# KiCad board 8851_HW-U1-VCU118_REV2-0_071417.kicad_pcb (continued)
## Nets
AGND1: C229.2 C1683.2 C1684.2 C1685.2 C1712.2 R1201.2 R1205.2 R1206.2 R1219.2 R1238.2 R1254.2 R1265.2 U164.7 U164.37 Z119.1
AGND2: C1408.2 C1446.2 C1539.2 C1543.2 Q48.3 R1125.2 R1131.2 R1132.2 R1166.2 U9.5 U9.8 U9.28 U9.29 U9.33 Z93.1
AGND5: C370.2 C423.2 C480.2 C740.2 Q25.3 R155.2 R199.2 R214.2 R515.2 U30.5 U30.8 U30.28 U30.29 U30.33 Z15.1
AGND6: C145.2 C175.2 C188.2 C189.2 Q20.3 R74.2 R136.2 R137.2 R159.2 U6.5 U6.8 U6.28 U6.29 U6.33 Z1.1
AGND8: C1409.2 C1447.2 C1540.2 C1544.2 Q49.3 R1108.2 R1126.2 R1133.2 R1167.2 U4.5 U4.8 U4.28 U4.29 U4.33 Z94.1
AGND9: C1717.2 R1207.2 R1214.2 R1221.2 R1240.2 R1258.2 R1262.2 R1266.2 U166.7 U166.15 U166.16 U166.18 U166.37 Z121.1
AGND10: C1715.2 R1213.2 R1220.2 R1229.2 R1239.2 R1256.2 R1280.2 R1281.2 U165.7 U165.15 U165.16 U165.18 U165.37 Z120.1
AGND12: C1313.2 C1318.2 C1330.2 C1336.2 Q40.3 R1028.2 R1077.2 R1078.2 R1174.2 U150.5 U150.8 U150.28 U150.29 U150.33 Z88.1
AGND13: C1411.2 C1449.2 C1542.2 C1546.2 Q51.3 R1109.2 R1130.2 R1169.2 R1170.2 U156.5 U156.8 U156.28 U156.29 U156.33 Z96.1
GND: B1.2 C1.2 C3.2 C4.2 C5.2 C6.1 C7.2 C8.2 C11.1 C12.2 C15.2 C26.2 C27.2 C39.2 C40.2 C41.2 C53.2 C54.2 C57.2 C62.2 C63.2 C64.2 C65.2 C66.2 C68.2 C69.2 C70.2 C71.2 C72.2 C73.2 C74.2 C75.2 C76.2 C78.2 C79.2 C80.2 C81.2 C82.2 C83.2 C84.2 C92.2 C96.2 C98.2 C99.2 C103.2 C104.2 C105.2 C106.2 C107.2 C108.2 C109.2 C110.2 C111.2 C112.2 C113.2 C114.2 C115.2 C116.2 C120.2 C121.2 C122.2 C123.2 C124.2 C125.2 C126.2 C128.2 C129.2 C130.2 C131.2 C132.2 C133.2 C134.2 C135.2 C136.2 C137.2 C138.2 C139.2 C140.2 C141.2 C142.2 C143.2 C144.2 C146.2 C147.2 C148.2 C149.2 C150.2 C151.2 C153.2 C154.2 C156.2 C157.2 C159.2 C160.2 C161.2 C162.2 C163.2 C164.2 C165.2 C166.2 C167.2 C168.2 C169.2 C170.2 C171.2 C172.2 C173.2 C174.2 C176.2 C177.2 C178.2 C179.2 C180.2 C181.2 C182.2 C183.2 C185.2 C190.2 C191.2 C192.2 C193.2 C194.2 C195.2 C196.2 C197.2 C204.2 C205.2 C206.2 C215.2 C216.2 C226.2 C227.2 C228.2 C230.2 C232.2 C234.2 C235.2 C236.2 C237.2 C238.2 C239.2 C246.2 C247.2 C248.2 C249.2 C250.2 C251.2 C252.2 C253.2 C254.2 C255.2 C257.2 C258.2 C288.2 C289.2 C290.2 C294.2 C295.2 C324.2 C330.2 C331.2 C334.2 C346.2 C348.2 C349.2 C350.2 C351.2 C352.2 C353.2 C354.2 C356.2 C434.2 C435.2 C436.2 C437.2 C438.2 C439.2 C440.2 C441.2 C451.2 C454.2 C460.2 C461.2 C462.2 C466.2 C467.2 C470.2 C491.2 C492.2 C493.2 C494.2 C495.2 C496.2 C497.2 C498.2 C499.2 C500.2 C501.2 C516.2 C517.2 C518.2 C519.2 C520.2 C522.2 C525.2 C527.2 C540.2 C543.2 C550.2 C551.2 C555.2 C556.2 C557.2 C558.2 C559.2 C560.2 C589.2 C590.2 C595.2 C596.2 C601.2 C602.2 C603.2 C604.2 C614.2 C615.2 C618.2 C619.2 C622.2 C623.2 C628.2 C630.2 C632.2 C633.2 C640.2 C657.2 C658.2 C659.2 C695.2 C696.2 C697.2 C698.2 C699.2 C700.2 C701.2 C702.2 C703.2 C704.2 C705.2 C706.2 C707.2 C711.2 C713.2 C716.2 C717.2 C718.2 C719.2 C720.2 C721.2 C722.2 C723.2 C749.2 C750.2 C751.2 C752.2 C753.2 C754.2 C755.2 C756.2 C774.2 C775.2 C780.2 C788.2 C789.2 C790.2 C791.2 C792.2 C794.2 C795.2 C796.2 C798.2 C801.2 C803.2 C805.2 C806.2 C808.2 C810.2 C811.2 C816.2 C820.2 C821.2 C822.2 C825.2 C828.2 C830.2 C833.2 C834.2 C835.2 C837.2 C841.2 C842.2 C843.2 C844.2 C848.2 C849.2 C850.2 C851.2 C852.2 C853.2 C856.2 C858.2 C859.2 C862.2 C864.2 C865.2 C866.2 C867.2 C868.2 C869.2 C870.2 C872.2 C873.2 C874.2 C876.2 C878.2 C891.2 C892.2 C893.2 C894.2 C895.2 C896.2 C902.2 C903.2 C905.2 C906.2 C907.2 C908.2 C909.2 C911.2 C914.2 C915.2 C916.2 C917.2 C918.2 C919.2 C920.2 C921.2 C922.2 C923.2 C924.2 C953.2 C954.2 C955.2 C956.2 C957.2 C1011.2 C1012.2 C1013.2 C1052.2 C1053.2 C1054.2 C1070.2 C1071.2 C1072.2 C1073.2 C1108.2 C1109.2 C1138.2 C1139.2 C1140.2 C1141.2 C1142.2 C1143.2 C1144.2 C1145.2 C1146.2 C1147.2 C1148.2 C1149.2 C1150.2 C1151.2 C1152.2 C1153.2 C1154.2 C1155.2 C1156.2 C1157.2 C1158.2 C1159.2 C1160.2 C1161.2 C1162.2 C1164.2 C1165.2 C1166.2 C1167.2 C1168.2 C1169.2 C1170.2 C1171.2 C1172.2 C1173.2 C1174.2 C1175.2 C1176.2 C1177.2 C1178.2 C1179.2 C1180.2 C1181.2 C1182.2 C1183.2 C1184.2 C1185.2 C1186.2 C1187.2 C1188.2 C1189.2 C1190.2 C1191.2 C1192.2 C1193.2 C1194.2 C1195.2 C1196.2 C1197.2 C1198.2 C1199.2 C1200.2 C1201.2 C1202.2 C1203.2 C1204.2 C1205.2 C1206.2 C1207.2 C1208.2 C1209.2 C1210.2 C1211.2 C1212.2 C1213.2 C1214.2 C1215.2 C1216.2 C1217.2 C1218.2 C1219.2 C1220.2 C1221.2 C1222.2 C1223.2 C1224.2 C1225.2 C1226.2 C1227.2 C1228.2 C1232.2 C1233.2 C1235.2 C1236.2 C1237.2 C1238.2 C1239.2 C1240.2 C1241.2 C1242.2 C1243.2 C1244.2 C1245.2 C1246.2 C1247.2 C1269.2 C1270.2 C1271.2 C1272.2 C1273.2 C1277.2 C1279.2 C1280.2 C1281.2 C1282.2 C1283.2 C1284.2 C1285.2 C1286.2 C1287.2 C1288.2 C1289.2 C1290.2 C1291.2 C1292.2 C1293.2 C1294.2 C1295.2 C1296.2 C1298.2 C1299.2 C1300.2 C1301.2 C1303.2 C1304.2 C1305.2 C1306.2 C1311.2 C1314.2 C1315.2 C1316.2 C1317.2 C1327.2 C1331.2 C1332.2 C1342.2 C1343.2 C1344.2 C1345.2 C1346.2 C1347.2 C1348.2 C1349.2 C1350.2 C1351.2 C1352.2 C1353.2 C1354.2 C1356.2 C1358.2 C1361.2 C1362.2 C1386.2 C1387.2 C1388.2 C1389.2 C1390.2 C1391.2 C1392.2 C1395.2 C1396.2 C1401.2 C1402.2 C1404.2 C1406.2 C1407.2 C1412.2 C1413.2 C1415.2 C1419.2 C1420.2 C1421.2 C1423.2 C1424.2 C1425.2 C1426.2 C1427.2 C1428.2 C1429.2 C1430.2 C1431.2 C1432.2 C1437.2 C1438.2 C1439.2 C1440.2 C1441.2 C1442.2 C1443.2 C1445.2 C1450.2 C1451.2 C1452.2 C1453.2 C1454.2 C1455.2 C1462.2 C1463.2 C1464.2 C1465.2 C1466.2 C1467.2 C1474.2 C1475.2 C1476.2 C1477.2 C1478.2 C1479.2 C1480.2 C1481.2 C1483.2 C1484.2 C1485.2 C1486.2 C1487.2 C1488.2 C1504.2 C1505.2 C1506.2 C1515.2 C1516.2 C1517.2 C1518.2 C1519.2 C1520.2 C1527.2 C1528.2 C1530.2 C1547.2 C1548.2 C1549.2 C1550.2 C1551.2 C1552.2 C1553.2 C1554.2 C1555.2 C1556.2 C1557.2 C1558.2 C1559.2 C1566.2 C1568.2 C1569.2 C1570.2 C1571.2 C1572.2 C1573.2 C1574.2 C1575.2 C1576.2 C1577.2 C1578.2 C1583.2 C1584.2 C1585.2 C1586.2 C1587.2 C1588.2 C1589.2 C1590.2 C1591.2 C1592.2 C1593.2 C1594.2 C1595.2 C1596.2 C1597.2 C1598.2 C1599.2 C1600.2 C1601.2 C1602.2 C1603.2 C1604.2 C1605.2 C1606.2 C1607.2 C1608.2 C1609.2 C1610.2 C1611.2 C1612.2 C1613.2 C1614.2 C1615.2 C1616.2 C1617.2 C1618.2 C1619.2 C1620.2 C1621.2 C1622.2 C1623.2 C1624.2 C1625.2 C1626.2 C1627.2 C1628.2 C1629.2 C1630.2 C1631.2 C1632.2 C1633.2 C1634.2 C1635.2 C1636.2 C1640.2 C1641.2 C1642.2 C1643.2 C1644.2 C1645.2 C1646.2 C1647.2 C1648.2 C1649.2 C1650.2 C1651.2 C1652.2 C1653.2 C1654.2 C1655.2 C1656.2 C1657.2 C1658.2 C1659.2 C1660.2 C1661.2 C1662.2 C1663.2 C1664.2 C1665.2 C1666.2 C1667.2 C1668.2 C1669.2 C1671.2 C1672.2 C1673.2 C1674.2 C1675.2 C1677.2 C1678.2 C1679.2 C1680.2 C1681.2 C1705.2 C1706.2 C1707.2 C1708.2 C1709.2 C1714.2 C1716.2 C1718.2 C1720.2 C1721.2 C1731.2 C1732.2 C1733.2 C1734.2 C1735.2 C1736.2 C1737.2 C1738.2 C1739.2 C1740.2 C1741.2 C1742.2 C1743.2 C1744.2 C1745.2 C1746.2 C1747.2 C1748.2 C1749.2 C1750.2 C1751.2 C1752.2 C1753.2 C1754.2 C1755.2 C1756.2 C1757.2 C1758.2 C1781.2 D8.2 D9.2 D16.2 D19.2 D32.2 D33.2 D36.2 D37.2 D38.2 D39.2 DS2.2 DS3.2 EMICAGE1.1 EMICAGE1.2 EMICAGE1.3 EMICAGE1.4 EMICAGE1.5 EMICAGE1.6 EMICAGE1.7 EMICAGE1.8 EMICAGE1.9 EMICAGE1.10 EMICAGE1.11 EMICAGE1.12 EMICAGE1.13 EMICAGE1.14 EMICAGE1.15 EMICAGE1.16 J1.1 J1.2 J1.3 J1.4 J1.5 J1.6 J1.7 J1.8 J1.9 J1.10 J1.11 J1.12 J2.A1 J2.A4 J2.A5 J2.A8 J2.A9 J2.A12 J2.A13 J2.A16 J2.A17 J2.A20 J2.A21 J2.A24 J2.A25 J2.A28 J2.A29 J2.A32 J2.A33 J2.A36 J2.A37 J2.A40 J2.B2 J2.B3 J2.B6 J2.B7 J2.B10 J2.B11 J2.B14 J2.B15 J2.B18 J2.B19 J2.B22 J2.B23 J2.B26 J2.B27 J2.B30 J2.B31 J2.B34 J2.B35 J2.B38 J2.B39 J2.C1 J2.C4 J2.C5 J2.C8 J2.C9 J2.C12 J2.C13 J2.C16 J2.C17 J2.C20 J2.C21 J2.C24 J2.C25 J2.C28 J2.C29 J2.C32 J2.C33 J2.C34 J2.C36 J2.C38 J2.C40 J2.D2 J2.D3 J2.D6 J2.D7 J2.D10 J2.D13 J2.D16 J2.D19 J2.D22 J2.D25 J2.D28 J2.D35 J2.D37 J2.D39 J2.E1 J2.E4 J2.E5 J2.E8 J2.E11 J2.E14 J2.E17 J2.E20 J2.E23 J2.E26 J2.E29 J2.E32 J2.E35 J2.E38 J2.E40 J2.F2 J2.F3 J2.F6 J2.F9 J2.F12 J2.F15 J2.F18 J2.F21 J2.F24 J2.F27 J2.F30 J2.F33 J2.F36 J2.F39 J2.G1 J2.G4 J2.G5 J2.G8 J2.G11 J2.G14 J2.G17 J2.G20 J2.G23 J2.G26 J2.G29 J2.G32 J2.G35 J2.G38 J2.G40 J2.H3 J2.H6 J2.H9 J2.H12 J2.H15 J2.H18 J2.H21 J2.H24 J2.H27 J2.H30 J2.H33 J2.H36 J2.H39 J2.J1 J2.J4 J2.J5 J2.J8 J2.J11 J2.J14 J2.J17 J2.J20 J2.J23 J2.J26 J2.J29 J2.J32 J2.J35 J2.J38 J2.J40 J2.K2 J2.K3 J2.K6 J2.K9 J2.K12 J2.K15 J2.K18 J2.K21 J2.K24 J2.K27 J2.K30 J2.K33 J2.K36 J2.K39 J3.1 J3.3 J3.5 J3.7 J3.9 J3.11 J3.13 J5.3 J6.2 J6.A1 J6.A4 J6.A7 J6.A13 J6.A16 J6.A19 J6.B1 J6.B4 J6.B7 J6.B13 J6.B16 J6.B19 J10.SH1 J10.SH2 J22.A1 J22.A4 J22.A5 J22.A8 J22.A9 J22.A12 J22.A13 J22.A16 J22.A17 J22.A20 J22.A21 J22.A24 J22.A25 J22.A28 J22.A29 J22.A32 J22.A33 J22.A36 J22.A37 J22.A40 J22.B2 J22.B3 J22.B6 J22.B7 J22.B10 J22.B11 J22.B14 J22.B15 J22.B18 J22.B19 J22.B22 J22.B23 J22.B26 J22.B27 J22.B30 J22.B31 J22.B34 J22.B35 J22.B38 J22.B39 J22.C1 J22.C4 J22.C5 J22.C8 J22.C9 J22.C12 J22.C13 J22.C16 J22.C17 J22.C20 J22.C21 J22.C24 J22.C25 J22.C28 J22.C29 J22.C32 J22.C33 J22.C34 J22.C36 J22.C38 J22.C40 J22.D2 J22.D3 J22.D6 J22.D7 J22.D10 J22.D13 J22.D16 J22.D19 J22.D22 J22.D25 J22.D28 J22.D35 J22.D37 J22.D39 J22.E1 J22.E4 J22.E5 J22.E8 J22.E11 J22.E14 J22.E17 J22.E20 J22.E23 J22.E26 J22.E29 J22.E32 J22.E35 J22.E38 J22.E40 J22.F2 J22.F3 J22.F6 J22.F9 J22.F12 J22.F15 J22.F18 J22.F21 J22.F24 J22.F27 J22.F30 J22.F33 J22.F36 J22.F39 J22.G1 J22.G4 J22.G5 J22.G8 J22.G11 J22.G14 J22.G17 J22.G20 J22.G23 J22.G26 J22.G29 J22.G32 J22.G35 J22.G38 J22.G40 J22.H3 J22.H6 J22.H9 J22.H12 J22.H15 J22.H18 J22.H21 J22.H24 J22.H27 J22.H30 J22.H33 J22.H36 J22.H39 J22.J1 J22.J4 J22.J5 J22.J8 J22.J11 J22.J14 J22.J17 J22.J20 J22.J23 J22.J26 J22.J29 J22.J32 J22.J35 J22.J38 J22.J40 J22.K2 J22.K3 J22.K6 J22.K9 J22.K12 J22.K15 J22.K18 J22.K21 J22.K24 J22.K27 J22.K30 J22.K33 J22.K36 J22.K39 J22.L2 J22.L3 J22.L6 J22.L7 J22.L10 J22.L11 J22.L14 J22.L15 J22.L18 J22.L19 J22.L22 J22.L23 J22.L26 J22.L27 J22.L30 J22.L31 J22.L34 J22.L35 J22.L38 J22.L39 J22.M1 J22.M4 J22.M5 J22.M8 J22.M9 J22.M12 J22.M13 J22.M16 J22.M17 J22.M20 J22.M21 J22.M24 J22.M25 J22.M28 J22.M29 J22.M32 J22.M33 J22.M36 J22.M37 J22.M40 J22.Y1 J22.Y4 J22.Y5 J22.Y8 J22.Y9 J22.Y12 J22.Y13 J22.Y16 J22.Y17 J22.Y20 J22.Y21 J22.Y24 J22.Y25 J22.Y28 J22.Y29 J22.Y32 J22.Y33 J22.Y36 J22.Y37 J22.Y40 J22.Z2 J22.Z3 J22.Z6 J22.Z7 J22.Z10 J22.Z11 J22.Z14 J22.Z15 J22.Z18 J22.Z19 J22.Z22 J22.Z23 J22.Z26 J22.Z27 J22.Z30 J22.Z31 J22.Z34 J22.Z35 J22.Z38 J22.Z39 J23.1 J24.1 J25.1 J26.1 J27.1 J30.2 J30.3 J30.4 J30.5 J31.2 J31.3 J31.4 J31.5 J32.2 J32.3 J32.4 J32.5 J33.2 J33.3 J33.4 J33.5 J34.2 J34.3 J34.4 J34.5 J35.2 J35.3 J35.4 J35.5 J36.1 J38.1 J39.4 J39.6 J39.8 J39.10 J39.12 J39.14 J39.16 J52.9 J52.10 J53.9 J53.10 J78.4 J82.2 J83.6 J83.9 J83.10 J83.11 J83.12 J83.14 J96.1 J96.2 J96.3 J96.4 J96.5 J96.6 J96.7 J96.8 J96.9 J96.10 J96.11 J96.12 J105.6 J110.2 L35.1 L61.2 L87.2 L94.1 MH1.1 MH2.1 MH3.1 MH4.1 MH5.1 MH6.1 MH7.1 Q2.2 Q3.2 Q5.2 Q6.2 Q7.2 Q8.2 Q9.5 Q9.6 Q9.10 Q10.2 Q11.2 Q12.2 Q13.2 Q14.2 Q15.2 Q16.2 Q17.2 Q18.2 Q19.5 Q19.6 Q19.10 Q24.2 Q26.2 Q34.2 Q35.2 Q36.2 Q37.2 Q39.5 Q39.6 Q39.10 Q41.2 Q42.5 Q42.6 Q42.10 Q43.5 Q43.6 Q43.10 Q45.1 Q45.2 Q45.3 Q58.2 Q59.2 Q60.2 Q61.2 R4.2 R5.2 R7.2 R9.2 R12.2 R20.2 R21.2 R22.2 R25.2 R35.1 R40.2 R41.2 R42.2 R43.2 R44.2 R45.2 R46.2 R47.2 R48.2 R49.2 R50.2 R51.2 R52.2 R58.2 R59.2 R62.2 R63.2 R64.2 R65.2 R66.2 R67.2 R69.2 R71.2 R73.1 R76.2 R96.2 R97.2 R108.2 R116.2 R117.2 R118.2 R119.2 R120.2 R121.2 R122.2 R123.2 R124.2 R134.2 R138.2 R156.2 R162.2 R170.2 R179.2 R180.2 R183.2 R184.2 R187.2 R188.2 R193.2 R194.2 R200.2 R202.2 R204.2 R216.2 R222.2 R223.2 R229.2 R259.2 R300.2 R318.2 R319.2 R345.2 R346.2 R352.2 R356.2 R377.2 R378.2 R379.2 R380.2 R383.2 R384.2 R385.2 R386.2 R418.2 R424.2 R434.2 R435.1 R460.2 R478.2 R481.2 R482.2 R483.2 R484.2 R486.2 R487.2 R488.2 R548.2 R557.2 R559.2 R560.2 R581.2 R582.2 R594.2 R595.2 R600.2 R700.2 R704.2 R705.2 R707.2 R709.2 R727.2 R728.2 R729.2 R730.2 R756.2 R772.2 R773.2 R774.2 R775.2 R792.2 R793.2 R801.2 R804.2 R805.2 R808.2 R809.2 R815.2 R821.2 R827.2 R859.2 R891.2 R892.2 R893.2 R895.2 R896.2 R899.2 R901.2 R930.2 R931.2 R932.2 R933.2 R936.2 R938.2 R940.2 R942.2 R944.2 R988.2 R992.2 R1001.2 R1002.2 R1007.2 R1052.2 R1071.2 R1072.2 R1073.2 R1074.2 R1083.2 R1084.2 R1085.2 R1087.2 R1090.2 R1104.2 R1124.2 R1141.2 R1145.2 R1148.2 R1154.2 R1155.2 R1157.2 R1190.2 R1199.2 R1200.2 R1228.2 R1235.2 R1247.2 R1251.2 R1289.2 R1317.2 R1318.2 R1319.2 R1324.2 R1325.2 SW4.3 SW4.4 SW14.3 SW14.4 U1.A3 U1.A6 U1.A12 U1.A22 U1.A32 U1.A41 U1.A43 U1.A44 U1.AA1 U1.AA2 U1.AA5 U1.AA7 U1.AA11 U1.AA16 U1.AA18 U1.AA20 U1.AA22 U1.AA24 U1.AA26 U1.AA28 U1.AA30 U1.AA32 U1.AA34 U1.AA35 U1.AA37 U1.AA39 U1.AA42 U1.AA43 U1.AA44 U1.AB3 U1.AB4 U1.AB5 U1.AB8 U1.AB10 U1.AB11 U1.AB15 U1.AB19 U1.AB21 U1.AB23 U1.AB25 U1.AB27 U1.AB29 U1.AB31 U1.AB33 U1.AB35 U1.AB36 U1.AB41 U1.AB42 U1.AB45 U1.AB46 U1.AC1 U1.AC2 U1.AC5 U1.AC6 U1.AC11 U1.AC14 U1.AC16 U1.AC17 U1.AC20 U1.AC22 U1.AC24 U1.AC26 U1.AC28 U1.AC30 U1.AC32 U1.AC34 U1.AC35 U1.AC37 U1.AC38 U1.AC42 U1.AC43 U1.AC44 U1.AD3 U1.AD4 U1.AD5 U1.AD9 U1.AD10 U1.AD18 U1.AD19 U1.AD21 U1.AD23 U1.AD25 U1.AD27 U1.AD29 U1.AD31 U1.AD33 U1.AD35 U1.AD36 U1.AD40 U1.AD42 U1.AD45 U1.AD46 U1.AE1 U1.AE2 U1.AE5 U1.AE7 U1.AE11 U1.AE14 U1.AE16 U1.AE20 U1.AE22 U1.AE24 U1.AE26 U1.AE28 U1.AE30 U1.AE32 U1.AE34 U1.AE35 U1.AE37 U1.AE39 U1.AE42 U1.AE43 U1.AE44 U1.AF3 U1.AF4 U1.AF5 U1.AF8 U1.AF10 U1.AF12 U1.AF17 U1.AF19 U1.AF21 U1.AF23 U1.AF25 U1.AF27 U1.AF29 U1.AF31 U1.AF33 U1.AF35 U1.AF36 U1.AF41 U1.AF42 U1.AF45 U1.AF46 U1.AG1 U1.AG2 U1.AG5 U1.AG6 U1.AG11 U1.AG14 U1.AG16 U1.AG18 U1.AG20 U1.AG22 U1.AG24 U1.AG26 U1.AG28 U1.AG30 U1.AG36 U1.AG38 U1.AG42 U1.AG43 U1.AG44 U1.AH3 U1.AH4 U1.AH5 U1.AH9 U1.AH10 U1.AH13 U1.AH15 U1.AH17 U1.AH19 U1.AH21 U1.AH23 U1.AH25 U1.AH27 U1.AH29 U1.AH36 U1.AH37 U1.AH40 U1.AH42 U1.AH44 U1.AH45 U1.AH46 U1.AJ1 U1.AJ2 U1.AJ5 U1.AJ7 U1.AJ14 U1.AJ16 U1.AJ18 U1.AJ20 U1.AJ22 U1.AJ24 U1.AJ26 U1.AJ28 U1.AJ34 U1.AJ37 U1.AJ39 U1.AJ43 U1.AJ44 U1.AK3 U1.AK4 U1.AK5 U1.AK8 U1.AK10 U1.AK11 U1.AK17 U1.AK19 U1.AK21 U1.AK23 U1.AK25 U1.AK27 U1.AK31 U1.AK37 U1.AK41 U1.AK44 U1.AK45 U1.AK46 U1.AL1 U1.AL2 U1.AL3 U1.AL5 U1.AL6 U1.AL18 U1.AL28 U1.AL37 U1.AL38 U1.AL42 U1.AL44 U1.AM3 U1.AM4 U1.AM9 U1.AM10 U1.AM15 U1.AM25 U1.AM35 U1.AM37 U1.AM40 U1.AM44 U1.AM45 U1.AM46 U1.AN1 U1.AN2 U1.AN3 U1.AN7 U1.AN12 U1.AN22 U1.AN32 U1.AN37 U1.AN38 U1.AN39 U1.AN43 U1.AN44 U1.AP3 U1.AP5 U1.AP8 U1.AP10 U1.AP19 U1.AP29 U1.AP39 U1.AP41 U1.AP44 U1.AP45 U1.AP46 U1.AR1 U1.AR2 U1.AR3 U1.AR6 U1.AR11 U1.AR16 U1.AR26 U1.AR36 U1.AR39 U1.AR40 U1.AR41 U1.AR42 U1.AR44 U1.AT3 U1.AT4 U1.AT9 U1.AT10 U1.AT13 U1.AT23 U1.AT33 U1.AT41 U1.AT44 U1.AT45 U1.AT46 U1.AU1 U1.AU2 U1.AU3 U1.AU7 U1.AU8 U1.AU9 U1.AU10 U1.AU20 U1.AU30 U1.AU41 U1.AU43 U1.AU44 U1.AV3 U1.AV5 U1.AV6 U1.AV7 U1.AV17 U1.AV27 U1.AV37 U1.AV41 U1.AV44 U1.AV45 U1.AV46 U1.AW1 U1.AW2 U1.AW3 U1.AW6 U1.AW14 U1.AW24 U1.AW34 U1.AW41 U1.AW42 U1.AW44 U1.AY3 U1.AY4 U1.AY6 U1.AY11 U1.AY21 U1.AY31 U1.AY41 U1.AY44 U1.AY45 U1.AY46 U1.B2 U1.B4 U1.B6 U1.B9 U1.B19 U1.B29 U1.B39 U1.B41 U1.B45 U1.BA1 U1.BA2 U1.BA3 U1.BA6 U1.BA8 U1.BA18 U1.BA28 U1.BA38 U1.BA41 U1.BA43 U1.BA44 U1.BB3 U1.BB5 U1.BB6 U1.BB15 U1.BB25 U1.BB35 U1.BB41 U1.BB44 U1.BB45 U1.BB46 U1.BC1 U1.BC2 U1.BC3 U1.BC6 U1.BC12 U1.BC22 U1.BC32 U1.BC41 U1.BC42 U1.BC44 U1.BD1 U1.BD4 U1.BD6 U1.BD9 U1.BD19 U1.BD29 U1.BD39 U1.BD41 U1.BD44 U1.BD45 U1.BD46 U1.BE2 U1.BE6 U1.BE16 U1.BE26 U1.BE36 U1.BE41 U1.BE43 U1.BE45 U1.BF3 U1.BF5 U1.BF6 U1.BF13 U1.BF23 U1.BF33 U1.BF41 U1.BF44 U1.C1 U1.C2 U1.C3 U1.C6 U1.C16 U1.C26 U1.C36 U1.C41 U1.C42 U1.C44 U1.C46 U1.D3 U1.D5 U1.D6 U1.D13 U1.D23 U1.D33 U1.D41 U1.D44 U1.D45 U1.D46 U1.E1 U1.E2 U1.E3 U1.E6 U1.E7 U1.E8 U1.E10 U1.E20 U1.E30 U1.E40 U1.E41 U1.E43 U1.E44 U1.F3 U1.F4 U1.F8 U1.F17 U1.F27 U1.F37 U1.F41 U1.F44 U1.F45 U1.F46 U1.G1 U1.G2 U1.G3 U1.G6 U1.G8 U1.G14 U1.G24 U1.G34 U1.G41 U1.G42 U1.G44 U1.H3 U1.H5 U1.H8 U1.H9 U1.H10 U1.H11 U1.H21 U1.H31 U1.H41 U1.H44 U1.H45 U1.H46 U1.J1 U1.J2 U1.J3 U1.J7 U1.J10 U1.J18 U1.J28 U1.J38 U1.J41 U1.J43 U1.J44 U1.K3 U1.K4 U1.K8 U1.K10 U1.K15 U1.K25 U1.K35 U1.K39 U1.K40 U1.K41 U1.K44 U1.K45 U1.K46 U1.L1 U1.L2 U1.L3 U1.L6 U1.L10 U1.L12 U1.L22 U1.L32 U1.L39 U1.L42 U1.L44 U1.M3 U1.M5 U1.M9 U1.M10 U1.M19 U1.M29 U1.M39 U1.M40 U1.M41 U1.M44 U1.M45 U1.M46 U1.N1 U1.N2 U1.N3 U1.N4 U1.N7 U1.N10 U1.N16 U1.N26 U1.N36 U1.N39 U1.N43 U1.N44 U1.P3 U1.P4 U1.P5 U1.P8 U1.P10 U1.P13 U1.P23 U1.P33 U1.P39 U1.P41 U1.P44 U1.P45 U1.P46 U1.R1 U1.R2 U1.R5 U1.R6 U1.R10 U1.R20 U1.R30 U1.R37 U1.R38 U1.R39 U1.R42 U1.R44 U1.T3 U1.T4 U1.T5 U1.T9 U1.T10 U1.T17 U1.T27 U1.T37 U1.T40 U1.T44 U1.T45 U1.T46 U1.U1 U1.U2 U1.U5 U1.U7 U1.U14 U1.U18 U1.U20 U1.U22 U1.U24 U1.U26 U1.U28 U1.U34 U1.U36 U1.U37 U1.U39 U1.U43 U1.U44 U1.V3 U1.V4 U1.V5 U1.V8 U1.V10 U1.V11 U1.V17 U1.V19 U1.V21 U1.V23 U1.V25 U1.V27 U1.V29 U1.V31 U1.V35 U1.V36 U1.V41 U1.V42 U1.V44 U1.V45 U1.V46 U1.W1 U1.W2 U1.W5 U1.W6 U1.W16 U1.W18 U1.W20 U1.W22 U1.W24 U1.W26 U1.W28 U1.W30 U1.W35 U1.W37 U1.W38 U1.W42 U1.W43 U1.W44 U1.Y3 U1.Y4 U1.Y5 U1.Y9 U1.Y10 U1.Y15 U1.Y17 U1.Y19 U1.Y21 U1.Y23 U1.Y25 U1.Y27 U1.Y29 U1.Y35 U1.Y36 U1.Y40 U1.Y42 U1.Y45 U1.Y46 U2.A4 U2.A12 U2.A15 U2.A18 U2.A20 U2.A23 U2.A24 U2.A27 U2.A28 U2.A31 U2.A34 U2.A37 U2.A38 U2.A41 U2.A42 U2.A45 U2.A46 U2.A49 U2.A51 U2.A54 U2.A55 U2.A58 U2.A59 U2.A62 U2.A63 U2.A66 U2.A67 U2.A70 U2.A71 U2.A74 U2.A75 U2.A78 U2.A79 U2.A82 U2.B4 U2.B7 U2.B13 U2.B16 U2.B18 U2.B21 U2.B22 U2.B25 U2.B26 U2.B29 U2.B32 U2.B35 U2.B36 U2.B39 U2.B40 U2.B43 U2.B44 U2.B47 U2.B49 U2.B52 U2.B53 U2.B56 U2.B57 U2.B60 U2.B61 U2.B64 U2.B65 U2.B68 U2.B69 U2.B72 U2.B73 U2.B76 U2.B77 U2.B80 U3.1 U4.20 U5.10 U5.17 U6.20 U7.49 U8.2 U8.7 U9.20 U10.4 U10.8 U10.11 U11.2 U11.3 U11.4 U11.5 U11.14 U11.17 U11.18 U11.19 U12.1 U12.2 U12.4 U12.7 U13.2 U13.3 U14.3 U16.5 U16.6 U16.7 U17.1 U18.3 U19.11 U19.12 U19.13 U19.22 U20.5 U21.5 U22.2 U22.3 U23.1 U23.7 U24.4 U24.8 U24.11 U25.3 U26.3 U27.1 U27.7 U28.12 U29.1 U29.7 U30.20 U31.6 U31.7 U32.3 U33.1 U33.2 U33.3 U33.10 U34.2 U34.25 U35.1 U35.2 U35.7 U36.7 U37.2 U37.7 U38.3 U39.7 U39.18 U39.23 U39.24 U40.5 U41.1 U42.1 U43.10 U44.1 U51.11 U51.12 U51.13 U53.2 U53.5 U57.8 U57.24 U57.25 U57.26 U57.31 U57.36 U57.37 U60.A2 U60.A8 U60.B2 U60.C9 U60.D2 U60.D8 U60.E1 U60.E3 U60.E8 U60.E9 U60.F1 U60.G8 U60.H1 U60.H9 U60.K1 U60.K9 U60.M9 U60.N1 U60.T1 U61.A2 U61.A8 U61.B2 U61.C9 U61.D2 U61.D8 U61.E1 U61.E3 U61.E8 U61.E9 U61.F1 U61.G8 U61.H1 U61.H9 U61.K1 U61.K9 U61.M9 U61.N1 U61.T1 U62.A2 U62.A8 U62.B2 U62.C9 U62.D2 U62.D8 U62.E1 U62.E3 U62.E8 U62.E9 U62.F1 U62.G8 U62.H1 U62.H9 U62.K1 U62.K9 U62.M9 U62.N1 U62.T1 U63.A2 U63.A8 U63.B2 U63.C9 U63.D2 U63.D8 U63.E1 U63.E3 U63.E8 U63.E9 U63.F1 U63.G8 U63.H1 U63.H9 U63.K1 U63.K9 U63.M9 U63.N1 U63.T1 U64.A2 U64.A8 U64.B2 U64.C9 U64.D2 U64.D8 U64.E1 U64.E3 U64.E8 U64.E9 U64.F1 U64.G8 U64.H1 U64.H9 U64.K1 U64.K9 U64.M9 U64.N1 U64.T1 U71.1 U71.3 U80.12 U104.1 U104.17 U109.1 U111.A1 U111.A11 U111.B8 U111.C5 U111.C15 U111.D2 U111.D12 U111.E5 U111.E7 U111.E8 U111.E9 U111.F6 U111.F10 U111.G3 U111.G5 U111.G7 U111.G13 U111.G14 U111.H6 U111.H8 U111.H10 U111.J5 U111.J7 U111.J9 U111.K4 U111.K7 U111.K10 U111.K14 U111.L1 U111.L5 U111.L11 U111.M8 U111.N5 U111.N15 U111.P2 U111.P12 U111.R9 U114.10 U115.1 U115.10 U122.4 U122.6 U122.23 U122.25 U123.1 U123.4 U123.7 U123.13 U123.16 U123.19 U123.20 U123.23 U123.26 U123.32 U123.35 U123.38 U124.A1 U125.4 U125.8 U125.11 U128.2 U128.29 U131.2 U132.3 U133.10 U134.4 U134.8 U134.11 U135.A2 U135.A8 U135.B2 U135.C9 U135.D2 U135.D8 U135.E1 U135.E3 U135.E8 U135.E9 U135.F1 U135.G8 U135.H1 U135.H9 U135.K1 U135.K9 U135.M9 U135.N1 U135.T1 U136.A2 U136.A8 U136.B2 U136.C9 U136.D2 U136.D8 U136.E1 U136.E3 U136.E8 U136.E9 U136.F1 U136.G8 U136.H1 U136.H9 U136.K1 U136.K9 U136.M9 U136.N1 U136.T1 U137.A2 U137.A8 U137.B2 U137.C9 U137.D2 U137.D8 U137.E1 U137.E3 U137.E8 U137.E9 U137.F1 U137.G8 U137.H1 U137.H9 U137.K1 U137.K9 U137.M9 U137.N1 U137.T1 U138.A2 U138.A8 U138.B2 U138.C9 U138.D2 U138.D8 U138.E1 U138.E3 U138.E8 U138.E9 U138.F1 U138.G8 U138.H1 U138.H9 U138.K1 U138.K9 U138.M9 U138.N1 U138.T1 U139.A2 U139.A8 U139.B2 U139.C9 U139.D2 U139.D8 U139.E1 U139.E3 U139.E8 U139.E9 U139.F1 U139.G8 U139.H1 U139.H9 U139.K1 U139.K9 U139.M9 U139.N1 U139.T1 U141.A2 U141.A12 U141.B2 U141.B4 U141.B10 U141.B12 U141.C5 U141.C9 U141.D2 U141.D6 U141.D8 U141.D12 U141.E1 U141.E3 U141.E11 U141.E13 U141.G1 U141.G4 U141.G6 U141.G8 U141.G10 U141.G13 U141.J3 U141.J7 U141.J11 U141.K2 U141.K6 U141.K8 U141.K12 U141.L5 U141.L9 U141.M2 U141.M4 U141.M10 U141.M12 U141.N1 U141.N13 U142.A2 U142.A12 U142.B2 U142.B4 U142.B10 U142.B12 U142.C5 U142.C9 U142.D2 U142.D6 U142.D8 U142.D12 U142.E1 U142.E3 U142.E11 U142.E13 U142.G1 U142.G4 U142.G6 U142.G8 U142.G10 U142.G13 U142.J3 U142.J7 U142.J11 U142.K2 U142.K6 U142.K8 U142.K12 U142.L5 U142.L9 U142.M2 U142.M4 U142.M10 U142.M12 U142.N1 U142.N13 U143.4 U143.8 U143.11 U145.1 U145.4 U145.7 U145.13 U145.16 U145.19 U145.20 U145.23 U145.26 U145.32 U145.35 U145.38 U150.20 U151.A1 U154.13 U154.17 U156.20 U157.1 U157.17 U159.2 U159.3 U159.4 U159.5 U159.14 U159.17 U159.18 U159.19 U160.2 U160.3 U160.4 U160.5 U160.14 U160.17 U160.18 U160.19 U161.2 U161.3 U161.4 U161.5 U161.14 U161.17 U161.18 U161.19 U162.2 U162.3 U162.4 U162.5 U162.14 U162.17 U162.18 U162.19 U163.2 U163.3 U163.4 U163.5 U163.14 U163.17 U163.18 U163.19 U164.25 U165.20 U165.22 U165.23 U165.25 U166.20 U166.22 U166.23 U166.25 U167.10 U167.17 X1.4 X5.2 X5.4 X6.2 X6.4 X7.4 Z1.2 Z5.2 Z8.2 Z14.2 Z15.2 Z88.2 Z92.2 Z93.2 Z94.2 Z96.2 Z102.2 Z108.2 Z116.2 Z119.2 Z120.2 Z121.2 Z129.2 Z131.2 Z133.2
VCC1V2: C1421.1 L74.2 R104.2 R1155.1 R1172.1 Z103.2
VCC1V2_DH_R: Q43.1 R1114.2
VCC1V2_DL: Q43.7 U4.19
VCC1V2_FET_SWITCH: C1524.2 L74.1 Q43.2 Q43.3 Q43.4 R1107.2 R1137.1 R1161.2 U4.16
VCC1V2_FPGA: C72.1 C74.1 C156.1 C166.1 C168.1 C348.1 C349.1 C353.1 C354.1 C434.1 C435.1 C436.1 C437.1 C438.1 C439.1 C440.1 C441.1 C491.1 C492.1 C493.1 C494.1 C495.1 C496.1 C497.1 C498.1 C519.1 C520.1 C556.1 C558.1 C639.1 C695.1 C698.1 C702.1 C703.1 C705.1 C706.1 C716.1 C717.1 C718.1 C719.1 C720.1 C721.1 C722.1 C723.1 C749.1 C750.1 C751.1 C752.1 C753.1 C754.1 C755.1 C756.1 C953.1 C1052.1 C1053.1 C1070.1 C1071.1 C1072.1 C1073.1 C1138.1 C1139.1 C1140.1 C1141.1 C1143.1 C1146.1 C1149.1 C1152.1 C1161.1 C1163.1 C1165.1 C1166.1 C1168.1 C1169.1 C1171.1 C1172.1 C1174.1 C1175.1 C1177.1 C1178.1 C1186.1 C1187.1 C1188.1 C1189.1 C1190.1 C1191.1 C1192.1 C1193.1 C1194.1 C1195.1 C1196.1 C1197.1 C1198.1 C1199.1 C1200.1 C1201.1 C1202.1 C1203.1 C1204.1 C1205.1 C1206.1 C1207.1 C1209.1 C1210.1 C1211.1 C1212.1 C1213.1 C1214.1 C1215.1 C1216.1 C1217.1 C1218.1 C1219.1 C1220.1 C1221.1 C1222.1 C1223.1 C1224.1 C1225.1 C1226.1 C1227.1 C1228.1 C1232.1 C1235.1 C1270.1 C1272.1 C1279.1 C1285.1 C1286.1 C1292.1 C1293.1 C1298.1 C1299.1 C1386.1 C1387.1 C1391.1 C1420.1 C1423.1 C1450.1 C1451.1 C1452.1 C1453.1 C1454.1 C1574.1 C1575.1 C1576.1 C1577.1 C1759.1 D33.1 J101.1 J105.1 Q22.1 Q27.1 Q28.1 R17.1 R18.1 R23.1 R24.1 R103.2 R105.1 R177.1 R178.1 R210.1 R219.1 R299.1 R556.1 R558.1 R596.1 R597.1 R706.1 R708.1 R894.1 R900.1 R935.1 R937.1 R939.1 R941.1 R943.1 R989.1 R991.1 R1142.1 R1172.2 R1193.1 R1194.1 R1195.1 SW5.1 SW5.2 SW12.5 SW12.6 SW12.7 SW12.8 U1.A7 U1.A17 U1.A27 U1.A37 U1.AN27 U1.AR31 U1.AT28 U1.AU25 U1.AU35 U1.AV32 U1.AW29 U1.AW39 U1.AY26 U1.AY36 U1.B14 U1.B24 U1.B34 U1.BA33 U1.BB30 U1.BB40 U1.BC27 U1.BC37 U1.BD34 U1.BE31 U1.BF28 U1.BF38 U1.C11 U1.C21 U1.C31 U1.D18 U1.D28 U1.D38 U1.E15 U1.E25 U1.E35 U1.F12 U1.F22 U1.F32 U1.G9 U1.G19 U1.G29 U1.G39 U1.H16 U1.H26 U1.H36 U1.J23 U1.J33 U1.K20 U1.K30 U1.L17 U1.L27 U1.M24 U1.N21 U1.N31 U1.P18 U1.P28 U1.R25 U1.T22 U24.2 U41.2 U42.2 U60.A1 U60.A9 U60.B3 U60.B9 U60.C1 U60.D1 U60.D9 U60.F2 U60.F8 U60.G1 U60.G7 U60.G9 U60.J1 U60.J2 U60.J8 U60.J9 U60.L1 U60.L9 U60.R1 U60.T9 U61.A1 U61.A9 U61.B3 U61.B9 U61.C1 U61.D1 U61.D9 U61.F2 U61.F8 U61.G1 U61.G7 U61.G9 U61.J1 U61.J2 U61.J8 U61.J9 U61.L1 U61.L9 U61.R1 U61.T9 U62.A1 U62.A9 U62.B3 U62.B9 U62.C1 U62.D1 U62.D9 U62.F2 U62.F8 U62.G1 U62.G7 U62.G9 U62.J1 U62.J2 U62.J8 U62.J9 U62.L1 U62.L9 U62.R1 U62.T9 U63.A1 U63.A9 U63.B3 U63.B9 U63.C1 U63.D1 U63.D9 U63.F2 U63.F8 U63.G1 U63.G7 U63.G9 U63.J1 U63.J2 U63.J8 U63.J9 U63.L1 U63.L9 U63.R1 U63.T9 U64.A1 U64.A9 U64.B3 U64.B9 U64.C1 U64.D1 U64.D9 U64.F2 U64.F8 U64.G1 U64.G7 U64.G9 U64.J1 U64.J2 U64.J8 U64.J9 U64.L1 U64.L9 U64.R1 U64.T9 U134.2 U135.A1 U135.A9 U135.B3 U135.B9 U135.C1 U135.D1 U135.D9 U135.F2 U135.F8 U135.G1 U135.G7 U135.G9 U135.J1 U135.J2 U135.J8 U135.J9 U135.L1 U135.L9 U135.R1 U135.T9 U136.A1 U136.A9 U136.B3 U136.B9 U136.C1 U136.D1 U136.D9 U136.F2 U136.F8 U136.G1 U136.G7 U136.G9 U136.J1 U136.J2 U136.J8 U136.J9 U136.L1 U136.L9 U136.R1 U136.T9 U137.A1 U137.A9 U137.B3 U137.B9 U137.C1 U137.D1 U137.D9 U137.F2 U137.F8 U137.G1 U137.G7 U137.G9 U137.J1 U137.J2 U137.J8 U137.J9 U137.L1 U137.L9 U137.R1 U137.T9 U138.A1 U138.A9 U138.B3 U138.B9 U138.C1 U138.D1 U138.D9 U138.F2 U138.F8 U138.G1 U138.G7 U138.G9 U138.J1 U138.J2 U138.J8 U138.J9 U138.L1 U138.L9 U138.R1 U138.T9 U139.A1 U139.A9 U139.B3 U139.B9 U139.C1 U139.D1 U139.D9 U139.F2 U139.F8 U139.G1 U139.G7 U139.G9 U139.J1 U139.J2 U139.J8 U139.J9 U139.L1 U139.L9 U139.R1 U139.T9 U141.A5 U141.A9 U141.B6 U141.B8 U141.C3 U141.C11 U141.D4 U141.D10 U141.E5 U141.E9 U141.J1 U141.J5 U141.J9 U141.J13 U141.K4 U141.K10 U141.L3 U141.L11 U141.M6 U141.M8 U141.N5 U141.N9 U142.A5 U142.A9 U142.B6 U142.B8 U142.C3 U142.C11 U142.D4 U142.D10 U142.E5 U142.E9 U142.J1 U142.J5 U142.J9 U142.J13 U142.K4 U142.K10 U142.L3 U142.L11 U142.M6 U142.M8 U142.N5 U142.N9 U143.2 Z107.2
VCC1V2_FPGA_SNS_N: C1447.1 C1534.2 U4.26 Z108.1
VCC1V2_FPGA_SNS_P: C1534.1 U4.27 U29.8 Z107.1
VCC1V2_FPGA_VIN: C117.1 R103.1 U29.9
VCC1V2_PGOOD: D4.1 RP2.5 U4.32 U51.6
VCC1V2_TEMPX: C1540.1 Q49.1 Q49.2 U4.7
VCC1V2_VIN: C117.2 R104.1 U29.10
VCC1V8: C39.1 C41.1 C62.1 C64.1 C66.1 C68.1 C122.1 C126.1 C234.1 C235.1 C540.1 C1407.1 J3.2 J6.9 L80.2 Q21.1 R6.1 R16.1 R53.1 R72.1 R100.2 R211.1 R212.1 R324.1 R547.1 R682.1 R683.1 R837.1 R838.1 R839.1 R840.1 R841.1 R861.1 R1092.1 R1154.1 R1171.1 SW16.5 SW16.6 SW16.7 U3.2 U13.6 U17.2 U19.1 U22.6 U33.6 U53.6 U115.9 Z97.2
VCC1V8_DH_R: Q42.1 R1112.2
VCC1V8_DL: Q42.7 U9.19
VCC1V8_FET_SWITCH: C1523.2 L80.1 Q42.2 Q42.3 Q42.4 R1127.2 R1136.1 R1159.2 U9.16
VCC1V8_FPGA: C161.1 C167.1 C171.1 C246.1 C247.1 C248.1 C249.1 C250.1 C251.1 C252.1 C253.1 C254.1 C255.1 C1303.1 C1304.1 C1305.1 C1306.1 C1406.1 C1464.1 C1465.1 C1466.1 C1570.1 C1571.1 C1572.1 D32.1 J100.1 L13.2 R99.2 R181.1 R182.1 R185.1 R186.1 R191.1 R215.1 R236.1 R617.1 R618.1 R1015.1 R1016.1 R1017.1 R1018.1 R1019.1 R1171.2 R1291.1 R1293.1 U1.AA29 U1.AA31 U1.AA33 U1.AB12 U1.AB28 U1.AB30 U1.AB32 U1.AB34 U1.AC29 U1.AC31 U1.AC33 U1.AD28 U1.AD30 U1.AD32 U1.AD34 U1.AE29 U1.AE31 U1.AE33 U1.AF28 U1.AF30 U1.AF32 U1.AF34 U1.AG29 U1.AG35 U1.AH12 U1.AH28 U1.AL23 U1.AM20 U1.AN17 U1.AP24 U1.AR21 U1.AT18 U1.AV22 U1.AW19 U1.BA23 U1.BB20 U1.BC17 U1.BD24 U1.BE21 U1.BF18 U1.U29 U1.W29 U1.Y28 U1.Y30 U43.2 U133.2 Z101.2
VCC1V8_FPGA_SNS_N: C1446.1 C1532.2 U9.26 Z102.1
VCC1V8_FPGA_SNS_P: C1532.1 U9.27 U23.8 Z101.1
VCC1V8_FPGA_VIN: C91.1 R99.1 U23.9
VCC1V8_PGOOD: D5.1 RP2.7 U9.32 U51.4
VCC1V8_TEMPX: C1539.1 Q48.1 Q48.2 U9.7
VCC1V8_VIN: C91.2 R100.1 U23.10
VCC12_MGTAVCC: C1600.1 C1601.1 C1618.1 C1619.1 C1623.1 C1624.1 C1671.1 C1672.1 L91.2 U163.1
VCC12_MGTAVTT: C1595.1 C1596.1 C1615.1 C1616.1 C1621.1 C1622.1 C1665.1 C1666.1 L90.2 U162.1
VCC12_P: C242.1 C549.1 C859.1 DS20.2 J15.1 J15.4 J15.5 Q1.1 Q1.2 Q1.3 R316.1 R421.1 U15.5 U128.1
VCC12_PCIE: U2.A2 U2.A3 U2.B1 U2.B2 U2.B3
VCC12_Q_OUT: C298.1 C910.1 Q1.5 Q1.6 Q1.7 Q1.8 U16.1
VCC12_SW: C146.1 C257.1 C288.1 C499.1 C1011.1 C1314.1 C1412.1 C1413.1 C1415.1 C1632.1 C1633.1 C1634.1 C1635.1 C1636.1 C1648.1 C1656.1 DS4.2 DS26.2 DS27.2 DS28.2 DS46.2 J2.C35 J2.C37 J22.C35 J22.C37 J22.L36 J22.L37 J22.L40 J36.2 J54.1 J73.2 L6.1 L22.1 L65.1 L76.1 L77.1 L79.1 L90.1 L91.1 L92.1 R14.1 R95.1 R157.1 R333.1 R463.1 R1020.1 R1021.1 R1075.1 R1111.1 R1113.1 R1116.1 R1158.1 R1160.1 R1164.1 R1216.1 R1217.1 R1218.1 R1327.1 U16.8
VCC12_UTIL_1V35: C1315.1 C1316.1 L65.2 Q39.8 Q39.9
VCC12_UTIL_3V3: C1437.1 C1438.1 C1439.1 C1440.1 L79.2 Q47.5 Q47.6 Q47.7 Q47.8
VCC12_VADJ_1V8: C215.1 C216.1 L22.2 Q9.8 Q9.9
VCC12_VCC1V2: C1431.1 C1432.1 L77.2 Q43.8 Q43.9
VCC12_VCC1V8: C1429.1 C1430.1 L76.2 Q42.8 Q42.9
VCC12_VCCINT: C121.1 C149.1 C151.1 C193.1 C195.1 C226.1 C227.1 C1584.1 C1585.1 C1589.1 C1590.1 C1592.1 C1593.1 C1605.1 C1606.1 C1607.1 C1609.1 C1610.1 C1611.1 C1612.1 C1613.1 C1614.1 C1657.1 C1658.1 C1661.1 C1662.1 C1663.1 C1664.1 L92.2 U11.1 U159.1 U160.1 U161.1
VCC12_VCCINTIO_BRAM: C147.1 C148.1 L6.2 Q19.8 Q19.9
VCCINT: C1757.1 C1758.1 L95.1 L95.3 L95.5 L95.7 R168.1 R1228.1 Z6.1
VCCINT_A3_IN: C1637.2 C1691.1 R169.1 R1223.1 R1224.1 R1225.1 R1244.1 R1272.2 U164.30
VCCINT_FPGA: C153.1 C159.1 C163.1 C164.1 C165.1 C196.1 C197.1 C206.1 C230.1 C330.1 C331.1 C334.1 C460.1 C461.1 C462.1 C657.1 C658.1 C659.1 C906.1 C907.1 C908.1 C909.1 C911.1 C914.1 C915.1 C916.1 C917.1 C918.1 C919.1 C920.1 C921.1 C922.1 C923.1 C1455.1 C1486.1 C1487.1 C1488.1 C1557.1 C1558.1 C1559.1 C1755.1 C1756.1 D36.1 J5.1 J107.1 R168.2 U1.AA15 U1.AA17 U1.AA19 U1.AA21 U1.AA23 U1.AA25 U1.AB14 U1.AB16 U1.AB20 U1.AB22 U1.AB24 U1.AB26 U1.AC15 U1.AC19 U1.AC21 U1.AC23 U1.AC25 U1.AD16 U1.AD20 U1.AD22 U1.AD24 U1.AD26 U1.AE15 U1.AE19 U1.AE21 U1.AE23 U1.AE25 U1.AF16 U1.AF18 U1.AF20 U1.AF22 U1.AF24 U1.AF26 U1.AG15 U1.AG17 U1.AG19 U1.AG21 U1.AG23 U1.AG25 U1.AH16 U1.AH18 U1.AH20 U1.AH22 U1.AH24 U1.AH26 U1.AJ15 U1.AJ17 U1.AJ19 U1.AJ21 U1.AJ23 U1.AJ25 U1.AK16 U1.AK18 U1.AK20 U1.AK22 U1.AK24 U1.AK26 U1.U17 U1.U19 U1.U21 U1.U23 U1.U25 U1.V18 U1.V20 U1.V22 U1.V24 U1.V26 U1.W17 U1.W19 U1.W21 U1.W23 U1.W25 U1.Y16 U1.Y18 U1.Y20 U1.Y22 U1.Y24 U1.Y26 Z7.1 Z128.2
VCCINT_ISENSE1: R1225.2 R1269.2 U159.15
VCCINT_ISENSE2: R1224.2 R1268.2 U160.15
VCCINT_ISENSE3: R1223.2 R1267.2 U161.15
VCCINT_ISENSE4: R169.2 R171.2 U11.15
VCCINT_PGOOD: D10.1 RP2.8 U51.3 U164.24
VCCINT_PWM1: U159.13 U164.18
VCCINT_PWM2: U160.13 U164.17
VCCINT_PWM3: U161.13 U164.16
VCCINT_PWM4: U11.13 U164.15
VCCINT_SLAVE_1V8: C228.1 C1608.1 C1677.1 C1678.1 C1679.1 L96.1 R167.1 R1208.1 R1209.1 R1210.1 R1230.1 U11.11 U159.11 U160.11 U161.11
VCCINT_SNS_N: C1688.2 U164.35 Z129.1
VCCINT_SNS_P: C1688.1 U35.8 U164.36 Z128.1
VCCINT_TS_FAULTB: C1714.1 R196.1 R1275.1 R1276.1 R1277.1 U164.19
VCCINT_VDD_MASTER: C1587.1 C1660.1 R1230.2 R1235.1 U164.8
VCCINT_VIN_N: C152.1 R109.1 U35.9
VCCINT_VIN_P: C152.2 R110.1 U35.10
VCCINT_VIN_R_N: R109.2 Z7.2
VCCINT_VIN_R_P: R110.2 Z6.2
VCCINT_VIN_UV: C1712.1 R1216.2 R1219.1 U164.14
VCCINT_VX1: C1700.1 C1778.1 L95.2 U159.6 U159.7 U159.8 U159.9
VCCINT_VX2: C1701.1 C1779.1 L95.4 U160.6 U160.7 U160.8 U160.9
VCCINT_VX3: C1702.1 C1780.1 L95.6 U161.6 U161.7 U161.8 U161.9
VCCINT_VX4: C231.1 C233.1 L95.8 U11.6 U11.7 U11.8 U11.9
